# Altium PCB PCB.PcbDoc (part 1 of 3)
Units mm, origin at the board's own origin, x right, y up, seen from the top; angles counter-clockwise.
Board outline 120 x 68 mm, 2 copper layers (Layer 1, Layer 2), stack 1.465 mm thick; 46 components, 6 nets, 90 pads, 3810 vias.
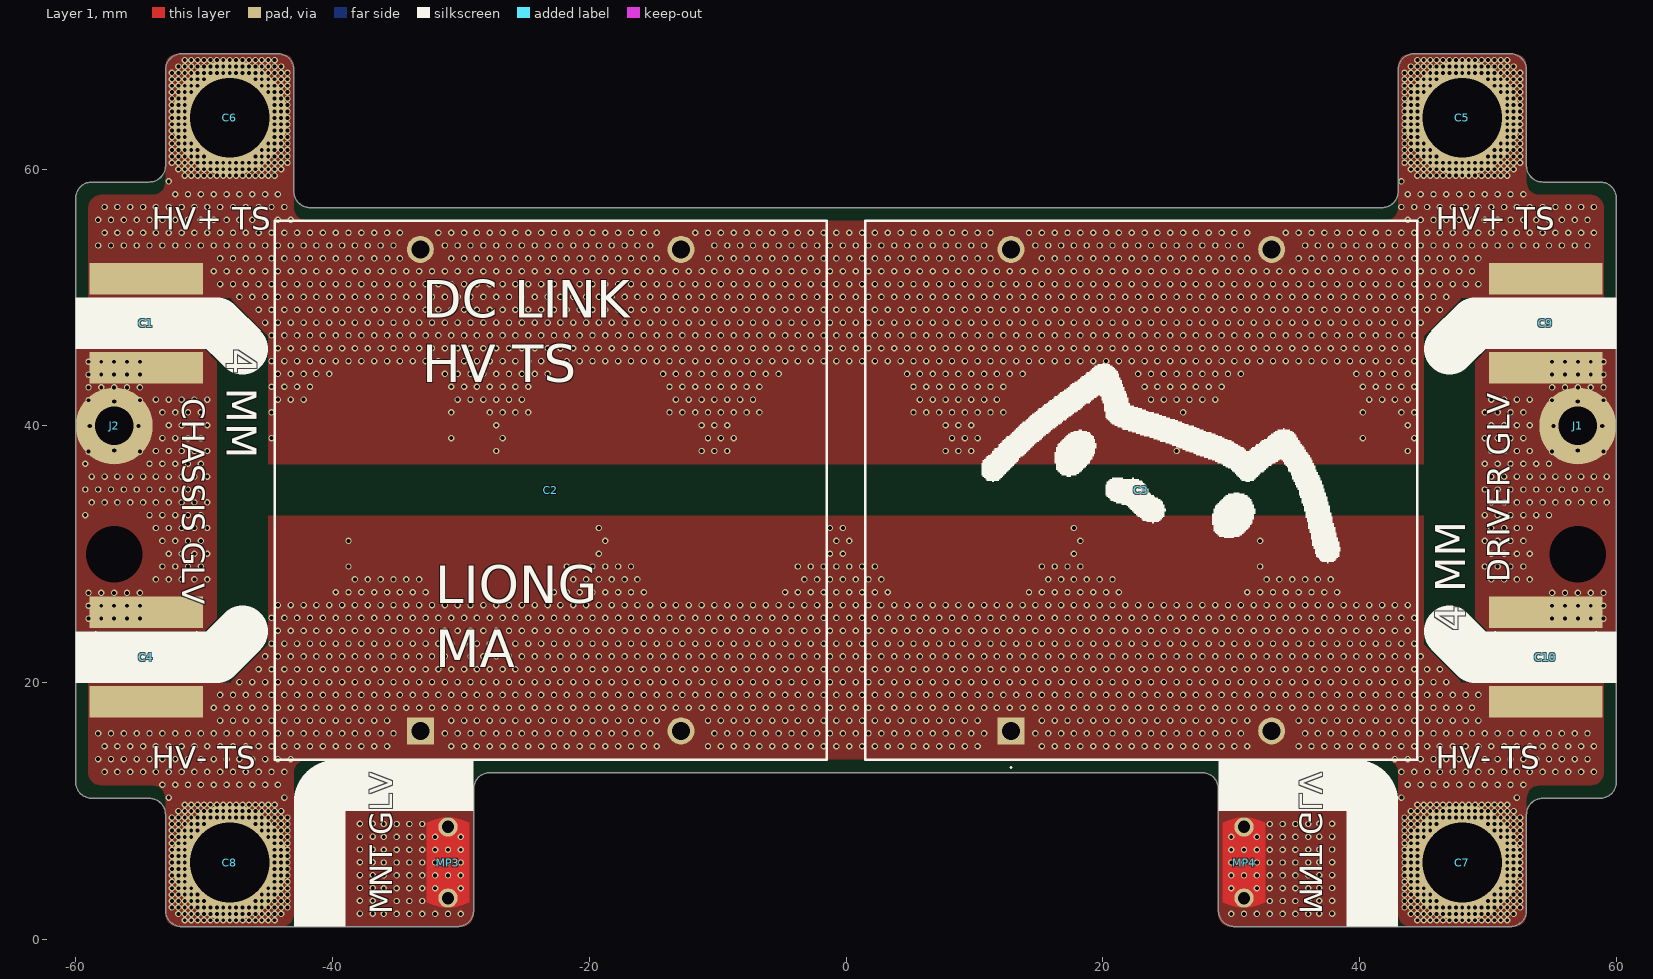
[diagram p0: Layer 1 view]
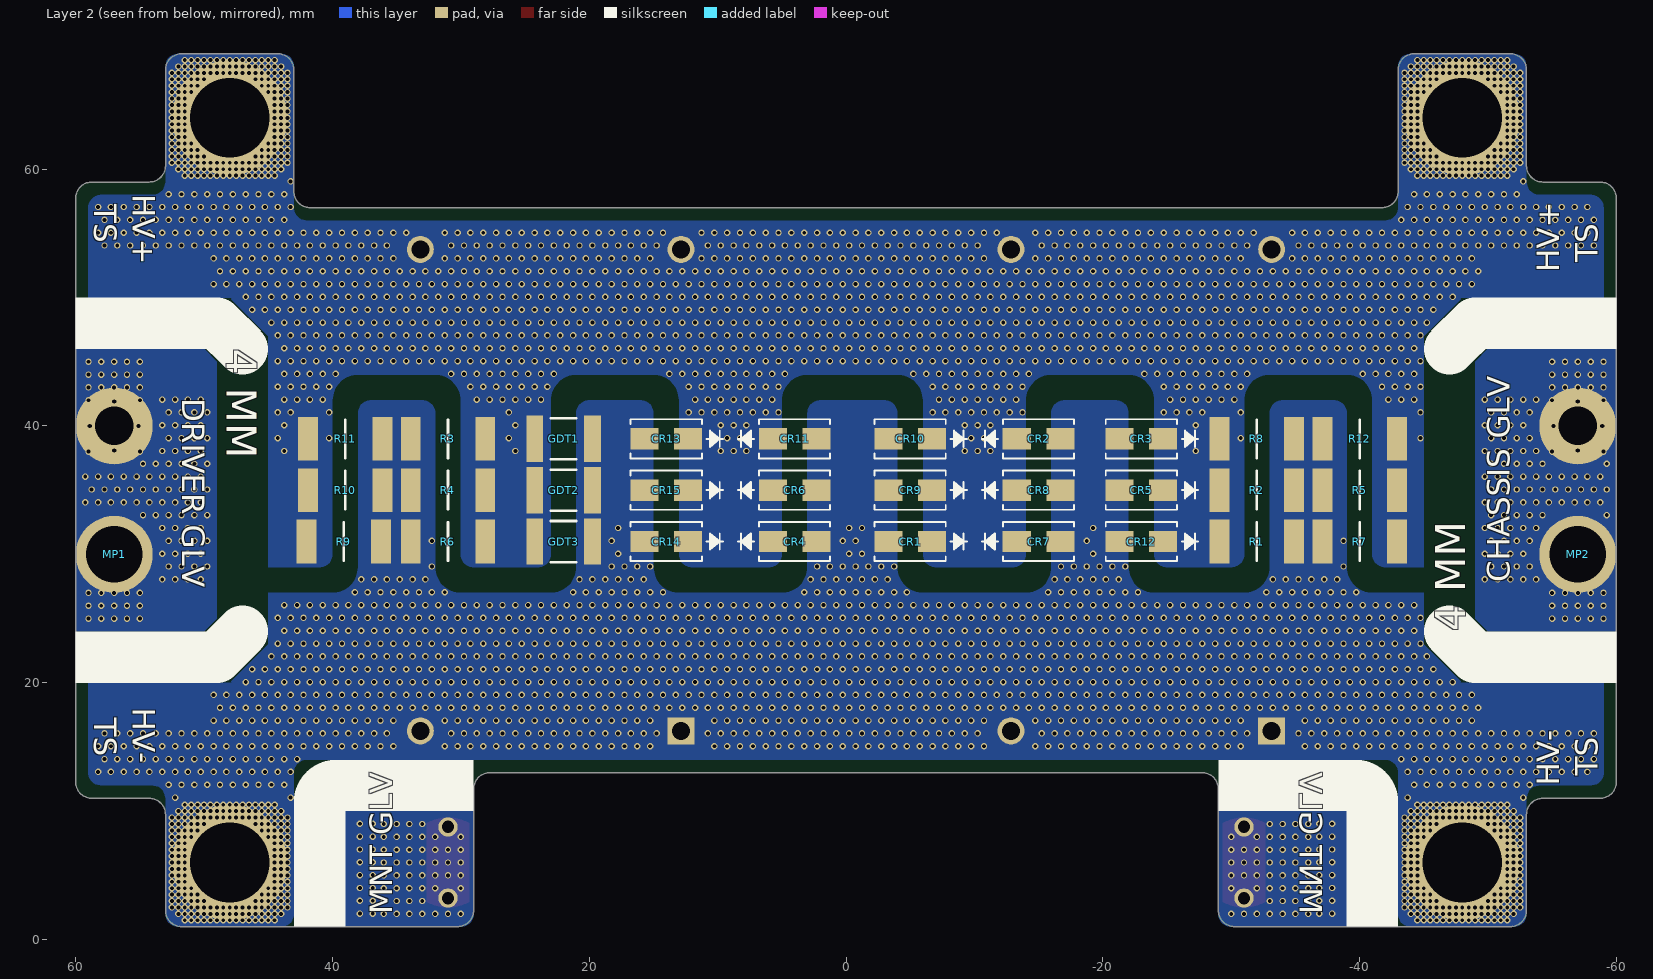
[diagram p1: Layer 2 view, seen from below]
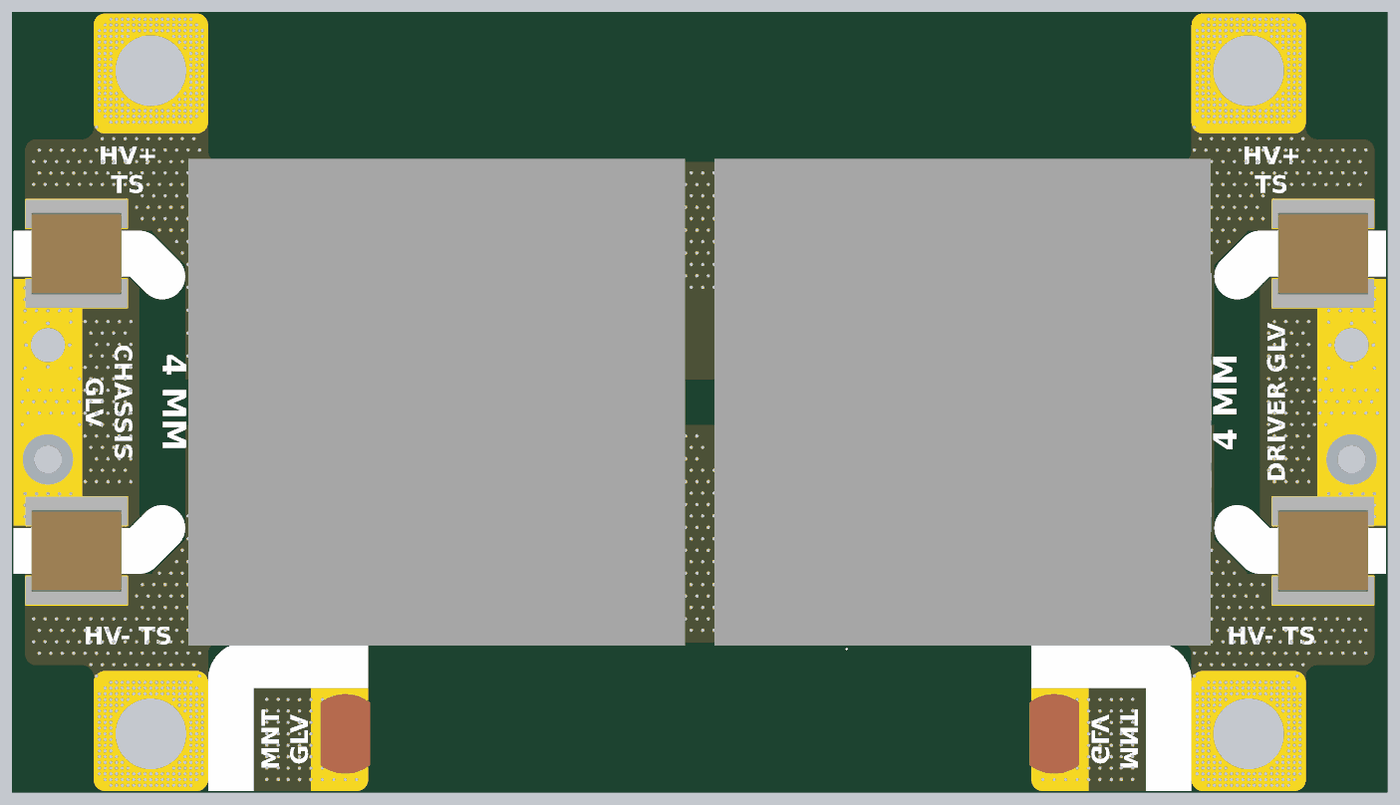
[diagram p4: 3D render of the assembled board from above, using the file's embedded part models]
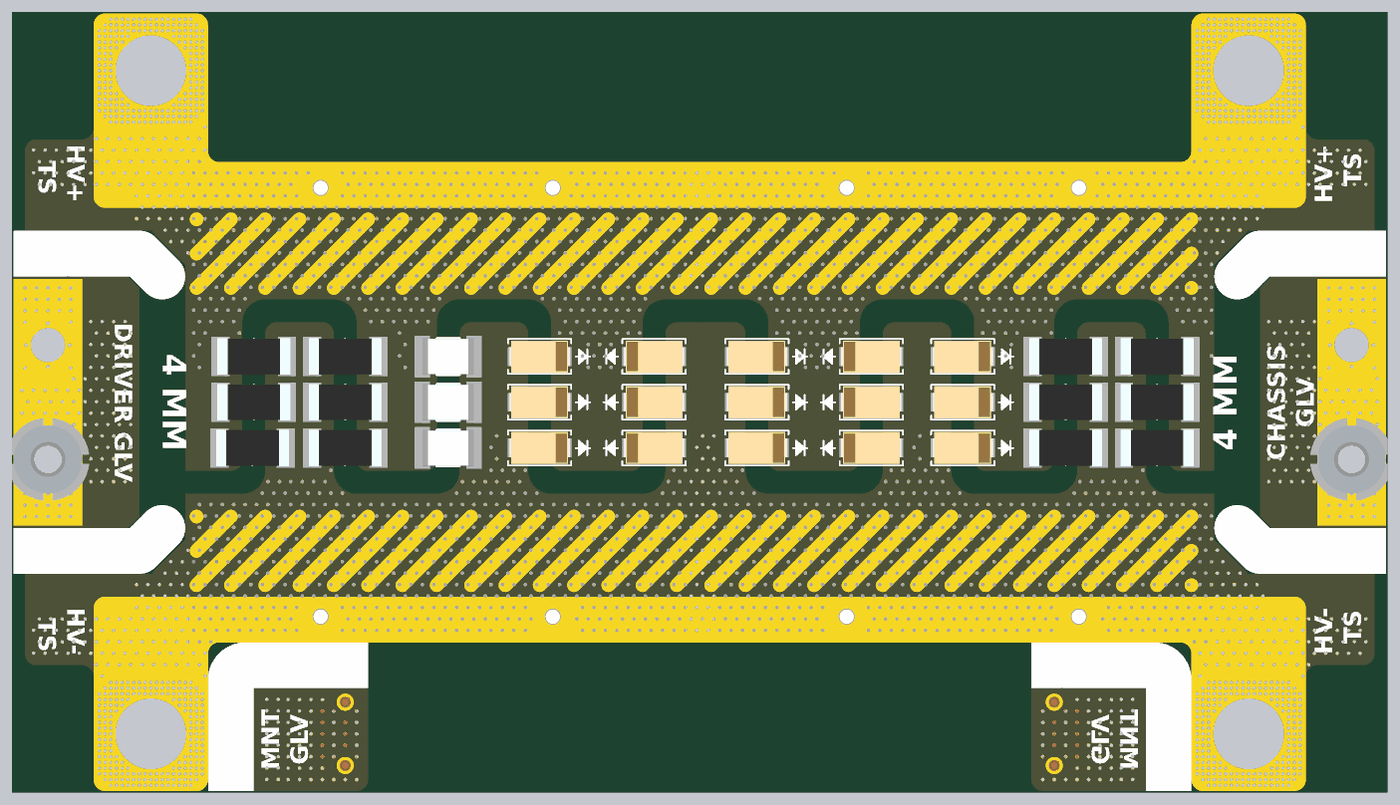
[diagram p5: 3D render of the assembled board from below, using the file's embedded part models]

## Layer stack, top to bottom
Top Solder: solder mask 0.0254, SM-001, Dk 4
Layer 1: signal copper 0.035
Dielectric 1: core 1.3952, Core-043, Dk 4.6
Layer 2: signal copper 0.035
Bottom Solder: solder mask 0.0254, SM-001, Dk 4

## Board outline
-53,4 -53,9.73 ccw(c-54.27,9.73) -54.27,11 -58.73,11 cw(c-58.73,12.27) -60,12.27 -60,57.73 cw(c-58.73,57.73) -58.73,59 -54.27,59 ccw(c-54.27,60.27) -53,60.27 -53,67.73 cw(c-51.73,67.73) -51.73,69 -44.27,69 cw(c-44.27,67.73) -43,67.73 -43,58.27 ccw(c-41.73,58.27) -41.73,57 41.73,57 ccw(c41.73,58.27) 43,58.27 43,67.73 cw(c44.27,67.73) 44.27,69 51.73,69 cw(c51.73,67.73) 53,67.73 53,60.27 ccw(c54.27,60.27) 54.27,59 58.73,59 cw(c58.73,57.73) 60,57.73 60,12.27 cw(c58.73,12.27) 58.73,11 54.27,11 ccw(c54.27,9.73) 53,9.73 53,2.27 cw(c51.73,2.27) 51.73,1 30.27,1 cw(c30.27,2.27) 29,2.27 29,11.73 ccw(c27.73,11.73) 27.73,13 -27.73,13 ccw(c-27.73,11.73) -29,11.73 -29,2.27 cw(c-30.27,2.27) -30.27,1 -51.73,1 cw(c-51.73,2.27) -53,2.27

## Design rules (kind name [scope] priority, off if disabled: settings)
AcuteAngle [All] p1: minimum=6.00000000000000E+0001 checktracksonly=FALSE
AssemblyTestpoint [All] p1: testpointundercomponent=TRUE minsize=1.016 maxsize=2.54 preferedsize=1.524 minholesize=0 maxholesize=1.016 preferedholesize=0.813 testpointgrid=0.025 usegrid=TRUE gridtolerance=0 allowsidetop=TRUE
BackDrilling [All] p1: maxstublength=0.381 usetopbackdrill=TRUE usebottombackdrill=TRUE holeoversize=0.025 holetolplus=0 holetolminus=0
BoardOutlineClearance [All] p1: gap=0 ignorepadtopadclearanceinfootprint=FALSE
Clearance Manufacturable [All] p1: gap=0.01 ignorepadtopadclearanceinfootprint=FALSE except(0: Arc-Hole Track-Hole SMDPad-Hole THPad-Hole Via-Hole Fill-Hole Poly-Hole Region-Hole Text-Hole; 0.254: Arc-Text Track-Text SMDPad-Text THPad-Fill THPad-Poly THPad-Region THPad-Text Via-Text Fill-Text Poly-Text Region-Text Text-Text)
ComponentClearance [All] p1 off: gap=0.025 collisioncheckmode=3 verticalgap=1.016 showdistances=FALSE donotcheckwithout3dbody=TRUE checkcomponentboundary=TRUE
ComponentOrientations [All] p1: allowedrotations=32
FabricationTestpoint [All] p1: side=1 testpointundercomponent=FALSE minsize=1.016 maxsize=2.54 preferedsize=1.524 minholesize=0 maxholesize=1.016 preferedholesize=0.813 testpointgrid=0.025 allowsidetop=TRUE usegrid=TRUE gridtolerance=0
Height [All] p1: minheight=0 maxheight=254 prefheight=12.7
HoleSize [All] p1: absolutevalues=TRUE maxlimit=10 minlimit=0.3 maxpercent=80.000 minpercent=20.000
HoleToHoleClearance [All] p1: gap=0.2 allowstackedmicrovias=FALSE
Length [All] p1: maxlimit=254 minlimit=0
MatchedLengths MatchedLengthsPair [All] p1: tolerance=25.4 checknetsindiffpair=TRUE checkdiffpairvsdiffpair=FALSE checkxsignals=FALSE checkothers=FALSE usedelayunits=TRUE delaytolerance=30.000000
MatchedLengths MatchedLengthsGroup [All] p2: tolerance=25.4 checknetsindiffpair=FALSE checkdiffpairvsdiffpair=TRUE checkxsignals=TRUE checkothers=TRUE usedelayunits=TRUE delaytolerance=50.000000
MaximumViaCount [All] p1: limit=15000
MinimumAnnularRing [All] p1: minimumring=0.1
MinimumSolderMaskSliver [All] p1: minsoldermaskwidth=0
OvershootFalling [All] p1: maximum=300.0m
OvershootRising [All] p1: maximum=300.0m
ParallelSegment [All] p1: limit=25.4 gap=0.254
PasteMaskExpansion [All] p1: expansion=0.025
PermittedLayers [All] p1: toplayerpermitted=TRUE bottomlayerpermitted=TRUE
PlaneClearance [All] p1: clearance=0.635
PlaneConnect [All] p1: planeconnectstyle=Relief reliefexpansion=0.508 reliefentries=4 reliefconductorwidth=0.381 reliefairgap=0.254
PolygonConnect [All] p1: connectstyle=Direct reliefconductorwidth=0.381 reliefentries=4 polygonreliefangle="90 Angle" airgapwidth=0.254
ReturnPath [All] p1: _gaplimit=0
RoutingCorners [All] p1: cornerstyle=45-Degree minsetback=2.54 maxsetback=12.7
RoutingVias [All] p1: holewidth=0.381 width=0.762 viastyle="Through Hole" minholewidth=0.05 minwidth=0.1 maxholewidth=6.096 maxwidth=11.43
SMDEntry [All] p1: side=FALSE corner=FALSE anyangle=FALSE
SMDNeckDown [All] p1: percent=50.000
SMDToCorner [All] p1: distance=100000
SMDToPlane [All] p1: distance=1000000
SignalStimulus [All] p1: kind=1 level=0 starttime=10.00n stoptime=60.00n periodtime=100.0n
SilkToSilkClearance [All] p1 off: silktosilkclearance=0
SilkToSolderMaskClearance [IsPad] p1: minsilkscreentomaskgap=0 clearancetoexposedcopper=TRUE
SolderMaskExpansion viaRule [IsVia] p1: expansion=0.102 istentingtop=TRUE
SolderMaskExpansion [All] p2: expansion=0 istentingtop=FALSE
StubLength [All] p1: limit=12.7
SupplyNets "Schematic Supply Nets_4" [InNet('GNDR')] p1: voltage=0.000
SupplyNets "Schematic Supply Nets_3" [InNet('GNDL')] p2: voltage=0.000
SupplyNets "Schematic Supply Nets_2" [InNet('HV+')] p3: voltage=0.000
SupplyNets "Schematic Supply Nets" [InNet('HV-')] p4: voltage=0.000
UnConnectedPin [All] p1 off:
UnRoutedNet [All] p1: checkbadconnections=TRUE
UndershootFalling [All] p1: maximum=300.0m
UndershootRising [All] p1: maximum=300.0m
ViasUnderSMD [All] p1: allowed=TRUE
Width [All] p1: maxlimit=2.032 minlimit=0.127 preferedwidth=0.254 minimp=50.000000 maximp=50.000000 favimp=50.000000
16 further rules are at their usual default settings.

## Classes and differential pairs
net class Schematic_Nets: GNDL GNDR HV+ HV- LU_1 RU_1

## Components (designator, comment, footprint, x,y, rotation, side; value= is the part's Value field where it differs from the comment)
C1 "B58031U9254M062" B58031U9254M062 -54.5,48 r270 top
C2 "C4AQJLW5300M38J" C4AQJLW5300M38J -23,35 r90 top
C3 "C4AQJLW5300M38J" C4AQJLW5300M38J 23,35 r90 top
C4 "B58031U9254M062" B58031U9254M062 -54.5,22 r90 top
C5 "HCC" "6MM PAD" 48,64 r90 top
C6 "HCC" "6MM PAD" -48,64 r90 top
C7 "HCC" "6MM PAD" 48,6 r90 top
C8 "HCC" "6MM PAD" -48,6 r90 top
C9 "B58031U9254M062" B58031U9254M062 54.5,48 r270 top
C10 "B58031U9254M062" B58031U9254M062 54.5,22 r90 top
CR1 "BYG21K-E3/TR" DO-214AC_VIS -5,31 r0 bottom
CR2 "BYG21K-E3/TR" DO-214AC_VIS -15,39 r180 bottom
CR3 "BYG21K-E3/TR" DO-214AC_VIS -23,39 r0 bottom
CR4 "BYG21K-E3/TR" DO-214AC_VIS 4,31 r180 bottom
CR5 "BYG21K-E3/TR" DO-214AC_VIS -23,35 r0 bottom
CR6 "BYG21K-E3/TR" DO-214AC_VIS 4,35 r180 bottom
CR7 "BYG21K-E3/TR" DO-214AC_VIS -15,31 r180 bottom
CR8 "BYG21K-E3/TR" DO-214AC_VIS -15,35 r180 bottom
CR9 "BYG21K-E3/TR" DO-214AC_VIS -5,35 r0 bottom
CR10 "BYG21K-E3/TR" DO-214AC_VIS -5,39 r0 bottom
CR11 "BYG21K-E3/TR" DO-214AC_VIS 4,39 r180 bottom
CR12 "BYG21K-E3/TR" DO-214AC_VIS -23,31 r0 bottom
CR13 "BYG21K-E3/TR" DO-214AC_VIS 14,39 r0 bottom
CR14 "BYG21K-E3/TR" DO-214AC_VIS 14,31 r0 bottom
CR15 "BYG21K-E3/TR" DO-214AC_VIS 14,35 r0 bottom
GDT1 "SJ800" SJ1000 22,39 r180 bottom
GDT2 "SJ800" SJ1000 22,35 r180 bottom
GDT3 "SJ800" SJ1000 22,31 r180 bottom
J1 "LCC" "PAD 3MM" 57,40 r0 top
J2 "LCC" "PAD 3MM" -57,40 r0 top
MP1 "M3 x 2.6mm" 9775026360 57,30 r180 bottom
MP2 "M3 x 2.6mm" 9775026360 -57,30 r180 bottom
MP3 "M3" 7466313 -31,6 r90 top
MP4 "M3" 7466313 31,6 r90 top
R1 "CHV2512-JW-105ELF" RESC6432X75N -32,31 r0 bottom
R2 "CHV2512-JW-105ELF" RESC6432X75N -32,35 r0 bottom
R3 "CHV2512-JW-105ELF" RESC6432X75N 31,39 r180 bottom
R4 "CHV2512-JW-105ELF" RESC6432X75N 31,35 r180 bottom
R5 "CHV2512-JW-105ELF" RESC6432X75N -40,35 r180 bottom
R6 "CHV2512-JW-105ELF" RESC6432X75N 31,31 r180 bottom
R7 "CHV2512-JW-105ELF" RESC6432X75N -40,31 r180 bottom
R8 "CHV2512-JW-105ELF" RESC6432X75N -32,39 r0 bottom
R9 "CHV2512-JW-105ELF" RESC6432X75N 39.104,31 r0 bottom
R10 "CHV2512-JW-105ELF" RESC6432X75N 39,35 r0 bottom
R11 "CHV2512-JW-105ELF" RESC6432X75N 39,39 r0 bottom
R12 "CHV2512-JW-105ELF" RESC6432X75N -40,39 r180 bottom

## Footprints (in the part's own frame and the unit in brackets; to place one, negate y for a bottom-side part, rotate by r counter-clockwise, add the part's x,y. Pads: shape width x height; smd on the part's side, far side on the other; paste and mask are expansions set on the pad)
"6MM PAD" [mm]
  round 9 hole 6.2 paste+0 mask+0.2: 1(0,0)
7466313 [mm] "SMD Terminal Right Angled with Pins, Thread M3, Length 5.5mm"
  round 1.5 hole 0.97 paste-2539.97: 1(-2.77,0) 1(2.77,0)
  round 0.025 smd: 1(0,0)
  Layer 1 region: -3.079,-1.665 3.079,-1.665 3.079,-1.665 3.5,0 3.079,1.665 3.079,1.665 3.079,1.665 -3.079,1.665 -3.079,1.665 -3.5,0 -3.079,-1.665
  body extent -3.5,-2.16 3.5,2.17, height 7
9775026360 [mm] "SMD Steel Spacer M3 Thread Internal, Pin Length 2.6mm"
  round 6 / inner round 0 / far side round 0 hole 4.4 unplated paste-2539.97: 1(0,0)
  body extent -3,-3 2.99,3, height 1
B58031U9254M062 [mm]
  rect 2.45x8.85 smd mask+0.1: 1(-3.475,0) 2(3.475,0)
  silkscreen extent -2,-3.93 2,3.93, body extent -3.57,-3.93 3.57,3.93, height 4
C4AQJLW5300M38J [mm]
  rect 2.1x2.1 hole 1.4: 1(-18.75,10.15)
  round 2.1 hole 1.4: 2(-18.75,-10.15) 3(18.75,-10.15) 4(18.75,10.15)
  silkscreen extent -21.65,-21.5 21,21.5, body extent -21.3,-21.71 21.3,21.7, height 26.36
DO-214AC_VIS [mil]
  rect 86x65 smd paste+0 mask+0: 1(-67,0) 2(67,0)
  silkscreen extent -174,-60 109,60, body extent -104,-55 104,55, height 92
"PAD 3MM" [mm]
  round 6 hole 3 paste+0 mask+0: 1(0,0)
RESC6432X75N [mm]
  rect 1.55x3.4 smd: 1(-2.9,0) 2(2.9,0)
  silkscreen extent 0,-1.5 0,1.5, body extent -3.2,-1.6 3.2,1.6, height 0.75
SJ1000 [mm]
  rect 1.3x3.6 smd: 1(-2.25,0) 2(2.25,0)
  silkscreen extent -1,-1.6 1,1.6, body extent -2.25,-1.6 2.25,1.6, height 3.2

## Part data
C1 C4 C9 C10: "Capacitor", Manufacturer_Name=TDK, Mouser Part Number=871-B58031U9254M062, Arrow Part Number=B58031U9254M062, Arrow Price/Stock=https://www.arrow.com/en/products/b58031u9254m062/tdk?region=europe, Datasheet Link=https://product.tdk.com/system/files/dam/doc/product/capacitor/ceramic/ceralink/data_sheet/20/10/ds/b58031_lp.pdf, Height=4.5mm, Manufacturer_Part_Number=B58031U9254M062, Mouser Price/Stock=https://www.mouser.co.uk/ProductDetail/EPCOS-TDK/B58031U9254M062?qs=Mv7BduZupUir5egwM6Ifng%3D%3D
C2 C3: "Capacitor", Manufacturer_Name=KEMET, Mouser Part Number=80-C4AQJLW5300M38J, Datasheet Link=https://content.kemet.com/datasheets/KEM_F3125_C4AQ_M.pdf, Height=25.2mm, Manufacturer_Part_Number=C4AQJLW5300M38J, Mouser Price/Stock=https://www.mouser.co.uk/ProductDetail/KEMET/C4AQJLW5300M38J?qs=81r%252BiQLm7BQPDIKgnvCGAA%3D%3D
CR1 CR2 CR3 CR4 CR5 CR6 CR7 CR8 CR9 CR10 CR11 CR12 CR13 CR14 CR15: library part BYG21K-E3TR, "1.5A,800V,120nS FS AVALANCHE SMD", Manufacturer_Name=Vishay, Copyright="Copyright (C) 2025 Ultra Librarian. All rights reserved.", datasheet=https://www.vishay.com/doc?88961, Manufacturer_Part_Number=BYG21K-E3/TR
GDT1 GDT2 GDT3: "Gas Discharge Tube", Manufacturer_Name=LITTELFUSE, Datasheet Link=https://www.littelfuse.com/assetdocs/gas-discharge-tubes-sj-datasheet?assetguid=53b7eae5-00a8-4e77-9ff5-6f0a5c35dc61, Height=3.5mm, Manufacturer_Part_Number=SJ800
MP1 MP2: library part 9775026360R, "WA-SMSR SMT Steel Spacer Reverse, M3 x 2.6mm", Manufacturer="Wurth Elektronik", Operating Temperature Max=150°C, Operating Temperature Min=-55°C, Category="SMT Spacers", componentlink1description="Website Link", componentlink1url=https://www.we-online.com/redexpert/article/9775026360R?ad, ComponentLink2Description="Datasheet Link", ComponentLink2URL=https://www.we-online.com/redexpert/spec/9775026360R?ad, Inside Diameter=4.2mm, Manufacturer Part Number=9775026360R, Match Code=WA-SMSR, Material=Steel, Mount="Surface Mount", Outside Diameter=6mm, packaging="Tape and Reel", Pin Length=2.6mm, Surface=Tin, Thread Size=M3
MP3 MP4: library part 7466313R, "WP-SMRA REDCUBE SMT Right Angled with pins, M3, 50A", Manufacturer="Wurth Elektronik", Operating Temperature Max=150°C, Operating Temperature Min=-55°C, Rated Current=50A, Category="REDCUBE SMT", componentlink1description="Website Link", componentlink1url=https://www.we-online.com/redexpert/article/7466313R?ad, ComponentLink2Description="Datasheet Link", ComponentLink2URL=https://www.we-online.com/redexpert/spec/7466313R?ad, Height=7mm, Manufacturer Part Number=7466313R, Match Code=WP-SMRA, Material=Brass, Mount="Surface Mount", packaging="Tape and Reel", Surface=Tin, Thread Size=M3
R1 R2 R3 R4 R5 R6 R7 R8 R9 R10 R11 R12: "Resistor", Manufacturer_Name=Bourns, Mouser Part Number=652-CHV2512JW105ELF, Arrow Part Number=CHV2512-JW-105ELF, Arrow Price/Stock=https://www.arrow.com/en/products/chv2512-jw-105elf/bourns, Datasheet Link=https://componentsearchengine.com/Datasheets/1/CHV2512-JW-107ELF.pdf, Height=0.75mm, Manufacturer_Part_Number=CHV2512-JW-105ELF, Mouser Price/Stock=https://www.mouser.co.uk/ProductDetail/Bourns/CHV2512-JW-105ELF?qs=Y39dXtdJQR3hOiRXwW8xyA%3D%3D

## Via types
v1: diameter 0.5, hole 0.3, Layer 1 to Layer 2, tented both sides, 3802 vias
v2: diameter 0.635, hole 0.33, Layer 1 to Layer 2, tented both sides, 6 vias
v3: diameter 0.635, hole 0.33, Layer 1 to Layer 2, 2 vias

## Nets (pads, with @x,y where several pads share a name; then routed paths per layer and width w, separated by ;. In a path a pad name is that pad's centre, name@x,y a point inside that pad or via, vN(x,y) a via of type N, cw(c..) or ccw(c..) an arc to the next point about the centre after c; other vN are vias at no path point)
GNDL: C9.2 C10.2 J1.1 MP1.1
  other v1: 55,25 56,25 57,25 58,25 59,25 55,26 56,26 57,26 58,26 59,26 55,27 56,27 57,27 58,27 59,27 50.255,28.053 51.255,28.053 52.255,28.053 53.255,28.053 49.755,29.053 50.755,29.053 51.755,29.053 52.755,29.053 50.255,30.053 51.255,30.053 52.255,30.053 53.255,30.053 49.755,31.053 50.755,31.053 51.755,31.053 52.755,31.053 50.255,32.053 51.255,32.053 52.255,32.053 53.255,32.053 49.755,33.053 50.755,33.053 51.755,33.053 52.755,33.053 53.755,33.053 54.755,33.053 50.255,34.053 51.255,34.053 52.255,34.053 53.255,34.053 54.255,34.053 55.255,34.053 56.255,34.053 57.255,34.053 58.255,34.053 59.255,34.053 49.755,35.053 50.755,35.053 51.755,35.053 52.755,35.053 53.755,35.053 54.755,35.053 55.755,35.053 56.755,35.053 57.755,35.053 58.755,35.053 50.255,36.053 51.255,36.053 52.255,36.053 53.255,36.053 54.255,36.053 55.255,36.053 56.255,36.053 57.255,36.053 58.255,36.053 59.255,36.053 49.755,37.053 50.755,37.053 51.755,37.053 52.755,37.053 53.755,37.053 54.755,37.053 55,38 59,38 50.255,38.053 51.255,38.053 52.255,38.053 53.255,38.053 49.755,39.053 50.755,39.053 51.755,39.053 52.755,39.053 50.255,40.053 51.255,40.053 52.255,40.053 53.255,40.053 49.755,41.053 50.755,41.053 51.755,41.053 52.755,41.053 55,42 59,42 50.255,42.053 51.255,42.053 52.255,42.053 53.255,42.053 55,43 56,43 57,43 58,43 59,43 55,44 56,44 57,44 58,44 59,44 55,45 56,45 57,45 58,45 59,45
  other v2: 57,38.095 55.095,40 58.905,40
  other v3: 57,41.905
GNDR: C1.2 C4.2 J2.1 MP2.1
  other v1: -59,25 -58,25 -57,25 -56,25 -55,25 -59,26 -58,26 -57,26 -56,26 -55,26 -59,27 -58,27 -57,27 -56,27 -55,27 -53.745,28.053 -52.745,28.053 -51.745,28.053 -50.745,28.053 -49.745,28.053 -53.245,29.053 -52.245,29.053 -51.245,29.053 -50.245,29.053 -52.745,30.053 -51.745,30.053 -50.745,30.053 -49.745,30.053 -53.245,31.053 -52.245,31.053 -51.245,31.053 -50.245,31.053 -53.745,32.053 -52.745,32.053 -51.745,32.053 -50.745,32.053 -49.745,32.053 -59.245,33.053 -54.245,33.053 -53.245,33.053 -52.245,33.053 -51.245,33.053 -50.245,33.053 -58.745,34.053 -57.745,34.053 -56.745,34.053 -55.745,34.053 -54.745,34.053 -53.745,34.053 -52.745,34.053 -51.745,34.053 -50.745,34.053 -49.745,34.053 -59.245,35.053 -58.245,35.053 -57.245,35.053 -56.245,35.053 -55.245,35.053 -54.245,35.053 -53.245,35.053 -52.245,35.053 -51.245,35.053 -50.245,35.053 -58.745,36.053 -57.745,36.053 -56.745,36.053 -55.745,36.053 -54.745,36.053 -53.745,36.053 -52.745,36.053 -51.745,36.053 -50.745,36.053 -49.745,36.053 -59.245,37.053 -54.245,37.053 -53.245,37.053 -52.245,37.053 -51.245,37.053 -50.245,37.053 -59,38 -55,38 -53.745,38.053 -52.745,38.053 -51.745,38.053 -50.745,38.053 -49.745,38.053 -53.245,39.053 -52.245,39.053 -51.245,39.053 -50.245,39.053 -52.745,40.053 -51.745,40.053 -50.745,40.053 -49.745,40.053 -53.245,41.053 -52.245,41.053 -51.245,41.053 -50.245,41.053 -59,42 -55,42 -53.745,42.053 -52.745,42.053 -51.745,42.053 -50.745,42.053 -49.745,42.053 -59,43 -58,43 -57,43 -56,43 -55,43 -59,44 -58,44 -57,44 -56,44 -55,44 -59,45 -58,45 -57,45 -56,45 -55,45
  other v2: -57,38.095 -58.905,40 -55.095,40
  other v3: -57,41.905